# Allegro board ultrasound_tnr_1000a_01_20171121.brd (continued)
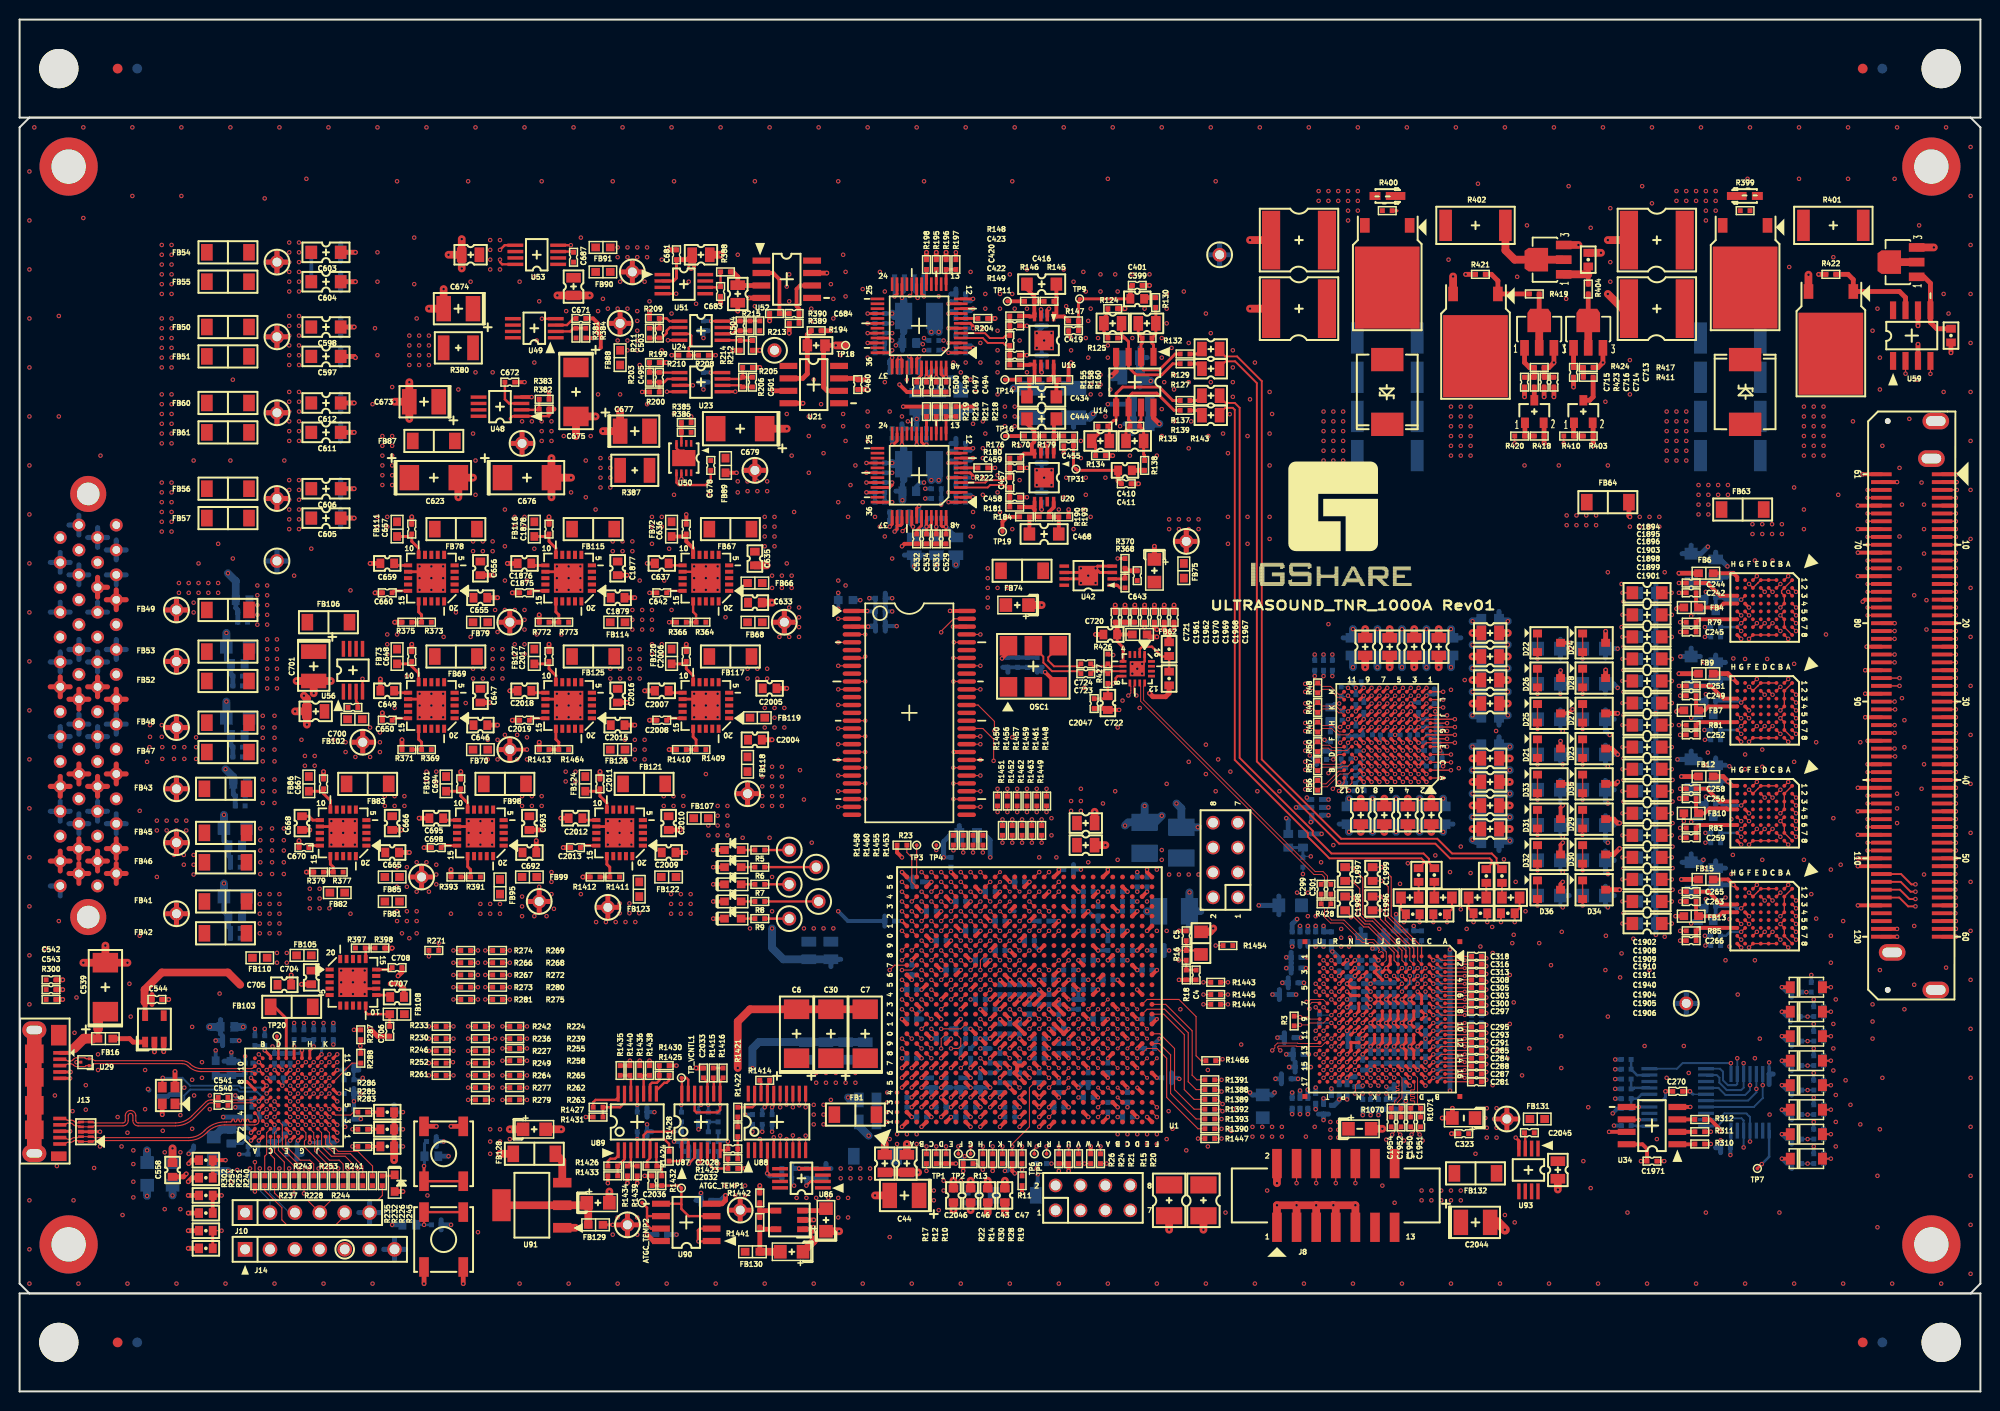
[diagram p0: board, top side]
## Routing (per net, layer and track width the routed paths; a pad name or vN(x,y) marks a point on that pad's centre or on a via; arc(x,y) is an arc through that point) (continued)
/RESET: length 29.3
  TOP w0.115: U26.C5 v1(26,28.8)
  TOP w0.25: v1(41.25,17) SW2.2 SW2.1
  SIG3 w0.13: v1(26,28.8) 26.4,28.4 26.4,25.4 27.3,24.5 33.75,24.5 v1(41.25,17)
  BOTTOM w0.25: C536.2 v1(41.25,17) R425.2
/SD_CAS: length 30.3
  TOP w0.115: U31.17 v1(86.25,66.85) ; U1.K23 v2(100,50)
  SIG2 w0.13: v1(86.25,66.85) 86.49,66.85 88.29,65.05 88.29,54.46 88.75,54 98.25,54 99.5,52.75 99.5,50.5 v2(100,50)
/SD_CS: length 30.6
  TOP w0.115: U1.L22 v2(100,49) ; U31.19 v1(86.25,65.25)
  SIG2 w0.13: v1(86.25,65.25) 86.93,64.57 86.93,54.32 88.75,52.5 97,52.5 97.5,52 97.5,49.75 97.75,49.5 98.25,49.5 98.5,49.25 98.5,48.75 98.75,48.5 99.5,48.5 v2(100,49)
/SD_RAS: length 32.9
  TOP w0.115: U31.18 v1(83.5,66.05) ; U1.K22 v1(99,49)
  SIG2 w0.13: v1(99,49) 99,49.25 98.5,49.75 98.5,53.25 98.25,53.5 88.5,53.5 87.58,54.42 87.58,64.73 86.26,66.05 v1(83.5,66.05)
/SD_WE: length 32.1
  TOP w0.115: U1.J23 v1(98,49) ; U31.16 v1(83.5,67.65)
  SIG2 w0.13: v1(98,49) 97.75,49 97.25,49.5 96.75,49.5 96.5,49.75 96.5,51.25 96.25,51.5 89,51.5 82.75,57.75 82.75,66.9 v1(83.5,67.65)
/TRST: length 24.2
  TOP w0.115: U26.B11 v1(24.4,34.4)
  SIG3 w0.13: J14.2 24.25,15.79 22.71,15.79 21.75,16.75 21.75,19.5 23,20.75 23,24.6 22.8,24.8 22.8,30.6 24,31.8 24,34 v1(24.4,34.4)
A0: length 3
  BOTTOM w0.25: U8.6 165.45,30.32 165,29.88 R87.1 R90.2
A1: length 54.2
  TOP w0.115: R280.1 v1(50,41.25) ; v1(98,43) 98,44 U1.J18
  SIG2 w0.13: v1(50,41.25) 86.25,41.25 88,39.5 97.25,39.5 97.5,39.75 97.5,42.5 v1(98,43)
A1_32 TI CONNECTOR: length 2.9
  BOTTOM w0.25: U8.7 164.72,30.98 164.62,30.88 R91.2 R88.1
A2: length 58.9
  TOP w0.115: v1(100,43) U1.K16 ; R281.1 v1(46.75,40)
  SIG2 w0.13: v1(100,43) U1.K16 98.75,42.5 98.5,42.25 98.5,40.1 96.9,38.5 87.75,38.5 85.75,40.5 47.25,40.5 v1(46.75,40)
A2_32 TI CONNECTOR: length 3.1
  BOTTOM w0.25: R89.1 R92.2 164.97,32.27 U8.9
AD_3V3P: length 38.9
  TOP w0.3: v1(92.5,96.62) 92.25,96.62 92,96.88 U25.18 ; v1(92.25,111.75) 92,112 U22.18 ; U22.37 v1(89,105.5) ; v1(88.75,88.25) 89,88.5 U25.37 ; U22.34 v1(86.5,107) ; v1(89.25,111.75) 89.5,112 U22.23 ; v1(89,96.62) 89.12,96.62 89.5,97 U25.23 ; U25.34 v1(86.38,91.75)
  TOP w0.4: v1(90.12,100.5) R219.1 R216.1 R217.1
  TOP w0.5: R198.1 v1(92.5,116.25) ; R196.1 v1(94.5,116.25) ; R195.1 v1(93.5,116.25)
  TOP w0.515: TH35.1 62.5,115.31 ; TH35.1 61.44,114.25 ; TH35.1 62.5,113.19 ; TH35.1 63.56,114.25
  SIG2 w0.53: TH35.1 63.56,114.25 ; TH35.1 61.44,114.25 ; TH35.1 62.5,115.31 ; TH35.1 62.5,113.19
  BOTTOM w0.4: C474.1 C471.1 88.75,105.25 v1(89,105.5) ; C511.1 C508.1 v1(92.5,96.62) ; C509.1 C512.1 v1(89,96.62) ; v1(92.25,111.75) C476.1 C473.1 ; C510.1 C507.1 v1(86.38,91.75) ; v1(86.5,107) C472.1 C475.1 ; C470.1 C469.1 v1(89.25,111.75) ; v1(88.75,88.25) C505.1 C506.1
  vias: v1(61,116.75) v1(61,115.75) v1(61.25,113.25) v1(62,116.75) v1(62,115.75) v1(63,116.75) v1(63,115.75) v1(63.75,113.25) v1(64,116.75) v1(64,115.75)
ADC_OUT_N0: length 32.4
  TOP w0.095: U11.T16 v1(133,32) ; U1.V7 v2(108,33)
  SIG4 w0.105: v2(108,33) 108,33.27 107.89,33.38 107.72,33.38 107.61,33.27 107.61,32.74 109.72,30.63 112.74,30.63 113.67,29.7 118.46,29.7 118.79,29.37 120.02,29.37 122.03,31.38 128.66,31.38 128.73,31.45 128.73,31.59 128.79,31.66 128.89,31.66 128.96,31.59 128.96,31.45 129.03,31.38 129.12,31.38 129.19,31.45 129.19,31.59 129.26,31.66 129.35,31.66 129.42,31.59 129.42,31.45 129.49,31.38 129.59,31.38 129.66,31.45 129.66,31.59 129.72,31.66 129.82,31.66 129.89,31.59 129.89,31.45 129.96,31.38 130.96,31.38 131.29,31.71 132.5,31.71 132.73,31.48 133.17,31.48 133.28,31.59 133.28,31.73 v1(133,32)
ADC_OUT_N1: length 32.5
  TOP w0.095: U11.T15 v1(133,32.8) ; U1.W8 v2(109,35)
  SIG1 w0.105: v2(109,35) 108.73,35 108.62,34.89 108.62,32.73 108.73,32.62 112.7,32.62 113.61,31.71 113.61,30.86 114.63,29.84 119.4,29.84 122.19,32.63 127.21,32.63 127.28,32.7 127.28,32.8 127.34,32.87 127.44,32.87 127.51,32.8 127.51,32.7 127.58,32.63 127.67,32.63 127.74,32.7 127.74,32.8 127.81,32.87 127.9,32.87 127.97,32.8 127.97,32.7 128.04,32.63 128.14,32.63 128.2,32.7 128.2,32.8 128.27,32.87 128.37,32.87 128.44,32.8 128.44,32.7 128.5,32.63 128.6,32.63 128.67,32.7 128.67,32.8 128.74,32.87 128.83,32.87 128.9,32.8 128.9,32.7 128.97,32.63 132.65,32.63 132.67,32.65 132.94,32.65 133,32.72 v1(133,32.8)
ADC_OUT_N2: length 32.5
  TOP w0.095: U11.T14 v1(133,33.6) ; U1.Y7 v2(110,33)
  SIG4 w0.105: v1(133,33.6) 133,33.55 132.9,33.44 132.64,33.44 131.78,32.58 131.27,32.58 131.2,32.65 131.2,32.82 131.13,32.89 131.03,32.89 130.97,32.82 130.97,32.65 130.9,32.58 130.8,32.58 130.73,32.65 130.73,32.82 130.67,32.89 130.57,32.89 130.5,32.82 130.5,32.65 130.43,32.58 130.34,32.58 130.27,32.65 130.27,32.82 130.2,32.89 130.11,32.89 130.04,32.82 130.04,32.65 129.97,32.58 127.64,32.58 127.45,32.76 127.45,32.95 127.12,33.28 126.65,33.28 126.32,32.95 126.32,32.76 126.14,32.58 125.88,32.58 125.69,32.76 125.69,32.95 125.36,33.28 124.89,33.28 124.56,32.95 124.56,32.39 124.46,32.29 124.04,32.29 123.93,32.39 123.93,32.95 123.6,33.28 123.13,33.28 122.8,32.95 122.8,32.76 122.62,32.58 121.7,32.58 119.88,30.76 115.51,30.76 114.56,31.71 112.47,31.71 111.53,32.65 109.73,32.65 109.61,32.77 109.61,33.34 109.68,33.41 109.85,33.41 110,33.26 v2(110,33)
ADC_OUT_N3: length 32.4
  TOP w0.095: U11.U13 v1(132.2,34.4) ; U1.AC7 v2(113,33)
  SIG4 w0.105: v1(132.2,34.4) 132.47,34.12 132.47,34.04 132.36,33.92 131.05,33.92 130.98,33.99 130.98,34.13 130.91,34.2 130.82,34.2 130.75,34.13 130.75,33.99 130.68,33.92 130.58,33.92 130.52,33.99 130.52,34.13 130.45,34.2 130.35,34.2 130.28,34.13 130.28,33.99 130.22,33.92 127.74,33.92 126.53,35.13 125.96,35.13 125.71,34.88 125.71,34.23 125.56,34.08 125.27,34.08 125.08,34.27 125.08,34.69 124.8,34.96 124.22,34.96 123.95,34.69 123.95,34.3 123.82,34.17 123.42,34.17 123.32,34.27 123.32,34.7 122.96,35.05 122.02,35.05 121.67,34.7 121.67,33.73 121.57,33.63 121.15,33.63 121.04,33.73 121.04,34.69 120.71,35.02 120.1,35.02 119.21,34.13 119.21,33.66 120.11,32.76 120.11,32.5 119.93,32.31 119.67,32.31 118.76,33.22 118.29,33.22 117.7,32.62 112.75,32.62 112.62,32.75 112.62,32.89 112.73,33 v2(113,33)
ADC_OUT_N4: length 32.5
  TOP w0.095: v1(127.77,34.8) 128.03,35.06 128.03,35.28 128.3,35.55 130.35,35.55 130.4,35.5 132.53,35.5 132.6,35.57 U11.U12 ; U1.AF7 v2(116,34)
  SIG1 w0.105: v1(127.77,34.8) 128.06,34.51 128.06,33.98 127.58,33.5 127.2,33.5 127.13,33.57 127.13,33.67 127.07,33.74 126.97,33.74 126.9,33.67 126.9,33.57 126.83,33.5 126.74,33.5 126.67,33.57 126.67,33.67 126.6,33.74 126.51,33.74 126.44,33.67 126.44,33.57 126.37,33.5 126.27,33.5 126.21,33.57 126.21,33.67 126.14,33.74 126.04,33.74 125.97,33.67 125.97,33.57 125.91,33.5 125.81,33.5 125.74,33.57 125.74,33.67 125.67,33.74 125.58,33.74 125.51,33.67 125.51,33.57 125.44,33.5 120.65,33.5 120.4,33.25 120.4,32.32 118.99,30.91 117.78,30.91 117.67,31.02 117.67,33.41 117.34,33.74 116.87,33.74 116.54,33.41 116.54,30.99 116.42,30.87 115.18,30.87 114.35,31.7 114.35,32.21 115.62,33.48 115.62,33.89 115.73,34 v2(116,34)
ADC_OUT_N5: length 32.4
  TOP w0.095: U11.R11 v1(133.8,36) ; U1.AD8 v2(114,34)
  SIG4 w0.105: v1(133.8,36) 133.53,35.73 133.29,35.73 133.08,35.51 131.85,35.51 131.78,35.58 131.78,35.72 131.71,35.79 131.62,35.79 131.55,35.72 131.55,35.58 131.48,35.51 128.02,35.51 127.69,35.84 127.06,35.84 126.95,35.95 126.95,36.82 126.7,37.07 126.07,37.07 125.82,36.82 125.82,35.95 125.72,35.84 125.3,35.84 125.19,35.95 125.19,36.82 124.94,37.07 124.31,37.07 124.06,36.82 124.06,35.95 123.96,35.84 123.54,35.84 123.43,35.95 123.43,36.82 123.18,37.07 122.55,37.07 122.3,36.82 122.3,35.95 122.2,35.84 121.78,35.84 121.67,35.95 121.67,37.11 121.47,37.31 120.79,37.31 120.54,37.06 120.54,35.95 120.44,35.84 119.46,35.84 117.23,33.61 113.76,33.61 113.62,33.75 113.62,33.89 113.73,34 v2(114,34)
ADC_OUT_N6: length 32.4
  TOP w0.095: U11.U11 v1(132.2,36) ; U1.AA7 v2(110,34)
  SIG1 w0.105: v1(132.2,36) 132.06,36.14 131.71,36.14 131.35,35.78 131.35,35.69 131.43,35.61 131.43,35.51 131.36,35.44 131.27,35.44 131.19,35.52 131.09,35.52 130.93,35.36 130.93,35.12 131,35.06 131.22,35.06 131.29,34.99 131.29,34.89 131.22,34.82 131,34.82 130.93,34.76 130.93,33.48 130.68,33.23 130.06,33.23 129.68,33.61 129.68,34.9 129.13,35.45 127.53,35.45 126.45,34.38 119.62,34.38 119.44,34.19 119.44,32.73 119.2,32.49 118.56,32.49 118.31,32.74 118.31,34.19 118.13,34.38 110.11,34.38 110,34.27 v2(110,34)
ADC_OUT_N7: length 32.5
  TOP w0.095: U1.W9 v1(108,36) ; U11.U10 v1(132.2,36.8)
  SIG1 w0.105: v1(108,36) 108.27,36 108.38,35.89 108.38,35.64 108.64,35.38 123.73,35.38 124.06,35.71 124.06,36.44 124.42,36.8 124.85,36.8 124.99,36.66 124.99,35.4 125.24,35.15 125.99,35.15 126.59,35.75 126.59,36.43 126.78,36.61 130.82,36.61 131.4,37.19 131.4,38.15 131.6,38.35 132.37,38.35 132.47,38.24 132.47,37.08 v1(132.2,36.8)
ADC_OUT_N8: length 32.5
  TOP w0.095: U1.AE11 v2(115,37) ; U11.U8 v1(132.2,39.2)
  SIG4 w0.105: v1(132.2,39.2) 132.47,38.92 132.47,38.8 132.31,38.63 131.26,38.63 130.93,38.96 130.55,38.96 130.37,39.14 130.37,39.76 130.04,40.09 129.57,40.09 129.24,39.76 129.24,39.14 129.06,38.96 128.79,38.96 128.61,39.14 128.61,39.76 128.28,40.09 127.81,40.09 127.48,39.76 127.48,39.14 127.3,38.96 126.93,38.96 126.82,39.06 126.82,39.88 126.57,40.13 125.94,40.13 125.69,39.88 125.69,39.06 125.59,38.96 125.17,38.96 125.06,39.06 125.06,40.13 124.81,40.38 124.18,40.38 123.93,40.13 123.93,39.06 123.83,38.96 122.7,38.96 122.52,39.14 122.52,40.2 122.19,40.53 121.72,40.53 121.39,40.2 121.39,39.14 121.21,38.96 119.67,38.96 117.35,36.64 116.26,36.64 116.2,36.71 116.2,36.87 116.13,36.94 116.03,36.94 115.96,36.87 115.96,36.71 115.9,36.64 115.8,36.64 115.73,36.71 115.73,36.87 115.66,36.94 115.57,36.94 115.5,36.87 115.5,36.71 115.43,36.64 114.73,36.64 114.62,36.75 114.62,36.89 114.73,37 v2(115,37)
ADC_OUT_N9: length 32.5
  TOP w0.095: U11.U7 132.5,39.7 131.82,39.7 131.56,39.44 v1(131.56,39.05) ; U1.AE10 v2(115,36)
  SIG1 w0.105: v1(131.56,39.05) 131.28,39.33 131.05,39.33 130.98,39.26 130.98,39.1 130.91,39.03 130.82,39.03 130.75,39.1 130.75,39.26 130.68,39.33 130.58,39.33 130.52,39.26 130.52,39.1 130.45,39.03 130.35,39.03 130.28,39.1 130.28,39.26 130.22,39.33 129.9,39.33 129.72,39.15 129.72,37.64 129.39,37.31 128.92,37.31 128.59,37.64 128.59,39.44 128.48,39.54 128.06,39.54 127.96,39.44 127.96,37.64 127.63,37.31 127.16,37.31 126.83,37.64 126.83,39.87 126.66,40.04 126.36,40.04 125.69,39.37 125.69,38.74 126.17,38.26 126.17,37.79 125.84,37.46 125.37,37.46 124.89,37.94 124.35,37.94 122.8,36.39 114.76,36.39 114.62,36.25 114.62,36.11 114.73,36 v2(115,36)
ADC_OUT_N10: length 32.4
  TOP w0.095: U11.R6 v1(133.8,40.8) ; U1.AC12 v2(113,38)
  SIG4 w0.105: v2(113,38) 112.73,38 112.62,37.89 112.62,37.75 112.75,37.62 116.76,37.62 117.65,38.51 117.65,38.77 116.81,39.62 116.81,39.97 117.25,40.41 117.61,40.41 118.04,39.98 118.75,39.98 119.97,41.2 121.3,41.2 121.49,41.38 121.49,42.67 121.82,43 122.29,43 122.62,42.67 122.62,41.38 122.8,41.2 124.84,41.2 124.95,41.3 124.95,41.9 125.33,42.29 125.82,42.29 126.08,42.04 126.08,41.3 126.18,41.2 130.99,41.2 131.16,41.04 131.25,41.04 131.32,41.1 131.41,41.1 131.48,41.03 131.48,40.93 131.42,40.87 131.42,40.78 131.78,40.41 133.41,40.41 v1(133.8,40.8)
ADC_OUT_N11: length 32.5
  TOP w0.095: U1.Y10 v2(109,37) ; U11.U6 v1(132.2,40.8)
  SIG1 w0.105: v1(132.2,40.8) 132.04,40.96 131.76,40.96 131.7,40.89 131.7,40.84 131.63,40.77 131.53,40.77 131.46,40.84 131.46,40.89 131.4,40.96 131.3,40.96 131.23,40.89 131.23,40.84 131.16,40.77 131.07,40.77 131,40.84 131,40.89 130.93,40.96 125.96,40.96 122.37,37.37 120.18,37.37 119.85,37.7 119.85,39.16 119.74,39.27 119.32,39.27 119.22,39.16 119.22,37.7 118.89,37.37 118.42,37.37 118.09,37.7 118.09,38.27 117.9,38.45 117.64,38.45 117.46,38.27 117.46,37.7 117.13,37.37 110.73,37.37 110.59,37.23 110.59,36.65 110.34,36.4 109.62,36.4 109.38,36.64 109.38,36.89 109.27,37 v2(109,37)
ADC_OUT_N12: length 32.4
  TOP w0.095: U11.U5 v1(132.2,41.6) ; U1.W11 v2(108,37)
  SIG4 w0.105: v2(108,37) 108,37.27 108.11,37.38 109.48,37.38 110.47,38.37 114.34,38.37 117.06,41.09 118.68,41.09 121.21,43.62 123.55,43.62 123.65,43.52 123.65,42.57 123.9,42.32 124.61,42.32 124.86,42.57 124.86,43.52 124.97,43.62 125.58,43.62 126.94,42.26 131.53,42.26 131.6,42.19 131.6,42.05 131.67,41.98 131.76,41.98 131.83,42.05 131.83,42.19 131.9,42.26 132.2,42.26 132.47,41.98 132.47,41.88 v1(132.2,41.6)
ADC_OUT_N13: length 32.5
  TOP w0.095: U1.AD13 v2(114,39) ; U11.T4 v1(133,42.4)
  SIG1 w0.105: v1(133,42.4) 132.86,42.54 132.59,42.54 132.52,42.47 132.52,42.31 132.45,42.24 132.35,42.24 132.29,42.31 132.29,42.47 132.22,42.54 132.12,42.54 132.05,42.47 132.05,42.31 131.99,42.24 131.89,42.24 131.82,42.31 131.82,42.47 131.75,42.54 131.66,42.54 131.59,42.47 131.59,42.31 131.52,42.24 131.43,42.24 131.36,42.31 131.36,42.47 131.29,42.54 128.4,42.54 128.07,42.87 128.07,43.51 127.88,43.69 127.62,43.69 127.44,43.51 127.44,42.39 127.09,42.04 126.6,42.04 126.31,42.33 126.31,43.51 126.12,43.69 125.86,43.69 125.68,43.51 125.68,42.47 125.43,42.22 124.8,42.22 124.55,42.47 124.55,43.51 124.36,43.69 124.1,43.69 123.92,43.51 123.92,42.87 123.59,42.54 123.12,42.54 122.79,42.87 122.79,43.51 122.6,43.69 122.34,43.69 122.16,43.51 122.16,42.87 121.83,42.54 120.34,42.54 117.55,39.75 114.12,39.75 113.62,39.25 113.62,39.11 113.73,39 v2(114,39)
ADC_OUT_N14: length 32.4
  TOP w0.095: U1.AA12 v2(111,39) ; U11.T3 v1(133,43.2)
  SIG4 w0.105: v1(133,43.2) 133,43.26 132.9,43.36 132.59,43.36 132.52,43.29 132.52,43.19 132.46,43.12 132.36,43.12 132.29,43.19 132.29,43.29 132.22,43.36 132,43.36 131.71,43.65 130.57,43.65 130.5,43.58 130.5,43.39 130.43,43.32 130.33,43.32 130.27,43.39 130.27,43.58 130.2,43.65 128.37,43.65 127.92,44.1 127.66,44.1 127.25,43.7 126.78,43.7 126.45,44.03 126.45,44.5 126.86,44.9 126.86,45.72 126.32,46.26 125.42,46.26 125.11,45.95 125.11,45.05 124.78,44.72 124.31,44.72 123.98,45.05 123.98,45.56 123.79,45.74 123.53,45.74 123.35,45.56 123.35,45.05 123.02,44.72 120.86,44.72 118.9,42.76 117.14,42.76 114.47,40.09 112.41,40.09 111.69,39.38 111.11,39.38 111,39.27 v2(111,39)
ADC_OUT_N15: length 32.4
  TOP w0.095: U11.T2 v1(133,44) ; U1.Y12 v1(110,39)
  SIG1 w0.105: v1(110,39) 109.73,39 109.62,39.11 109.62,39.38 111,40.75 112,40.75 113,41.75 117.35,41.75 120.3,44.7 125.93,44.7 126.26,45.03 126.26,46.42 126.37,46.53 126.83,46.53 126.89,46.47 126.89,45.03 127.22,44.7 131.93,44.7 131.99,44.63 131.99,44.49 132.06,44.42 132.16,44.42 132.23,44.49 132.23,44.63 132.29,44.7 132.39,44.7 132.46,44.63 132.46,44.49 132.53,44.42 132.62,44.42 132.69,44.49 132.69,44.63 132.76,44.7 133,44.7 133.28,44.42 133.28,44.27 v1(133,44)
ADC_OUT_P0: length 32.5
  TOP w0.095: U11.R16 v1(133.8,32) ; U1.V8 v2(108,34)
  SIG4 w0.105: v1(133.8,32) 133.53,31.73 133.53,31.48 133.27,31.23 132.63,31.23 132.4,31.46 131.39,31.46 131.06,31.13 122.13,31.13 120.12,29.12 118.69,29.12 118.36,29.45 113.57,29.45 112.64,30.38 109.62,30.38 107.36,32.64 107.36,33.37 107.61,33.62 107.89,33.62 108,33.73 v2(108,34)
ADC_OUT_P1: length 32.5
  TOP w0.095: U1.V9 v2(108,35) ; U11.R15 v1(133.8,32.8)
  SIG1 w0.105: v2(108,35) 108.27,35 108.38,34.89 108.38,32.62 108.63,32.37 112.6,32.37 113.36,31.61 113.36,30.76 114.53,29.59 119.5,29.59 122.29,32.38 132.75,32.38 132.77,32.4 133.4,32.4 v1(133.8,32.8)
ADC_OUT_P2: length 32.4
  TOP w0.095: U11.R14 v1(133.8,33.6) ; U1.Y8 v2(109,34)
  SIG4 w0.105: v1(133.8,33.6) 133.39,33.19 132.74,33.19 131.88,32.33 127.53,32.33 127.2,32.66 127.2,32.85 127.02,33.03 126.76,33.03 126.57,32.85 126.57,32.66 126.24,32.33 125.77,32.33 125.44,32.66 125.44,32.85 125.26,33.03 125,33.03 124.81,32.85 124.81,32.29 124.56,32.04 123.93,32.04 123.68,32.29 123.68,32.85 123.5,33.03 123.24,33.03 123.05,32.85 123.05,32.66 122.72,32.33 121.8,32.33 119.98,30.51 115.41,30.51 114.46,31.46 112.37,31.46 111.43,32.4 109.63,32.4 109.36,32.67 109.36,33.64 v2(109,34)
ADC_OUT_P3: length 32.5
  TOP w0.095: U1.AB7 v2(112,33) ; U11.T13 v1(133,34.4)
  SIG4 w0.105: v1(133,34.4) 132.72,34.12 132.72,33.94 132.46,33.67 127.64,33.67 126.43,34.88 126.06,34.88 125.96,34.77 125.96,34.12 125.66,33.83 125.17,33.83 124.83,34.17 124.83,34.59 124.7,34.71 124.32,34.71 124.2,34.59 124.2,34.19 123.92,33.92 123.32,33.92 123.07,34.17 123.07,34.59 122.86,34.8 122.13,34.8 121.92,34.59 121.92,33.63 121.67,33.38 121.04,33.38 120.79,33.63 120.79,34.59 120.61,34.77 120.2,34.77 119.46,34.03 119.46,33.77 120.36,32.86 120.36,32.39 120.03,32.06 119.56,32.06 118.66,32.97 118.4,32.97 117.8,32.37 112.65,32.37 112.38,32.64 112.38,32.89 112.27,33 v2(112,33)
ADC_OUT_P4: length 32.4
  TOP w0.095: U11.T12 133.17,35.6 132.77,35.2 130.28,35.2 130.23,35.25 128.43,35.25 128.33,35.16 128.33,35.06 v1(128.59,34.8) ; U1.AE7 v2(115,34)
  SIG1 w0.105: v1(128.59,34.8) 128.31,34.51 128.31,33.87 127.68,33.25 120.75,33.25 120.65,33.14 120.65,32.22 119.09,30.66 117.67,30.66 117.42,30.91 117.42,33.31 117.24,33.49 116.98,33.49 116.79,33.31 116.79,30.89 116.52,30.62 115.08,30.62 114.1,31.6 114.1,32.31 115.38,33.59 115.38,33.89 115.27,34 v2(115,34)
ADC_OUT_P5: length 32.4
  TOP w0.095: U11.R12 v1(133.8,35.2) ; U1.AC8 v2(113,34)
  SIG4 w0.105: v2(113,34) 113.27,34 113.38,33.89 113.38,33.64 113.66,33.36 117.33,33.36 119.56,35.59 120.54,35.59 120.79,35.84 120.79,36.95 120.9,37.06 121.37,37.06 121.42,37.01 121.42,35.84 121.67,35.59 122.3,35.59 122.55,35.84 122.55,36.72 122.66,36.82 123.08,36.82 123.18,36.72 123.18,35.84 123.43,35.59 124.06,35.59 124.31,35.84 124.31,36.72 124.42,36.82 124.84,36.82 124.94,36.72 124.94,35.84 125.19,35.59 125.82,35.59 126.07,35.84 126.07,36.72 126.18,36.82 126.6,36.82 126.7,36.72 126.7,35.84 126.95,35.59 127.58,35.59 127.92,35.26 133.18,35.26 133.4,35.48 133.53,35.48 v1(133.8,35.2)
ADC_OUT_P6: length 32.4
  TOP w0.095: U1.AA8 v2(110,35) ; U11.T11 v1(133,36)
  SIG1 w0.105: v1(133,36) 132.61,36.39 131.61,36.39 130.68,35.46 130.68,33.59 130.57,33.48 130.16,33.48 129.93,33.71 129.93,35 129.23,35.7 127.43,35.7 126.35,34.62 119.52,34.62 119.19,34.29 119.19,32.83 119.1,32.74 118.67,32.74 118.56,32.84 118.56,34.29 118.23,34.62 110.11,34.62 110,34.73 v2(110,35)
ADC_OUT_P7: length 32.5
  TOP w0.095: U11.T10 v1(133,36.8) ; U1.W10 v1(109,36)
  SIG1 w0.105: v1(133,36.8) 132.72,37.08 132.72,38.34 132.47,38.6 131.49,38.6 131.15,38.25 131.15,37.29 130.72,36.86 126.67,36.86 126.34,36.53 126.34,35.86 125.88,35.4 125.34,35.4 125.24,35.5 125.24,36.76 124.95,37.05 124.32,37.05 123.81,36.54 123.81,35.81 123.62,35.63 108.74,35.63 108.62,35.75 108.62,35.89 108.73,36 v1(109,36)
ADC_OUT_P8: length 32.4
  TOP w0.095: U1.AD11 v2(114,37) ; U11.T8 v1(133,39.2)
  SIG4 w0.105: v2(114,37) 114.27,37 114.38,36.89 114.38,36.64 114.63,36.39 117.45,36.39 119.77,38.71 121.31,38.71 121.64,39.04 121.64,40.1 121.82,40.28 122.09,40.28 122.27,40.1 122.27,39.04 122.6,38.71 123.93,38.71 124.18,38.96 124.18,40.02 124.29,40.13 124.71,40.13 124.81,40.03 124.81,38.96 125.06,38.71 125.69,38.71 125.94,38.96 125.94,39.77 126.05,39.88 126.47,39.88 126.57,39.77 126.57,38.96 126.82,38.71 127.4,38.71 127.73,39.04 127.73,39.66 127.91,39.84 128.18,39.84 128.36,39.66 128.36,39.04 128.69,38.71 129.16,38.71 129.49,39.04 129.49,39.66 129.67,39.84 129.94,39.84 130.12,39.66 130.12,39.04 130.45,38.71 130.83,38.71 131.16,38.38 132.41,38.38 132.72,38.69 132.72,38.92 v1(133,39.2)
ADC_OUT_P9: length 32.5
  TOP w0.095: U1.AD10 v2(114,36) ; U11.T7 133.38,39.6 132.98,40 131.69,40 131.44,39.75 v1(131.26,39.75)
  SIG1 w0.105: v1(131.26,39.75) 131.09,39.58 129.8,39.58 129.47,39.25 129.47,37.74 129.28,37.56 129.02,37.56 128.84,37.74 128.84,39.54 128.59,39.79 127.96,39.79 127.71,39.54 127.71,37.74 127.52,37.56 127.26,37.56 127.08,37.74 127.08,39.97 126.76,40.29 126.26,40.29 125.44,39.47 125.44,38.64 125.92,38.16 125.92,37.9 125.74,37.71 125.48,37.71 125,38.19 124.25,38.19 122.7,36.64 114.66,36.64 114.38,36.36 114.38,36.11 114.27,36 v2(114,36)
ADC_OUT_P10: length 32.4
  TOP w0.095: U1.AB12 v2(112,38) ; U11.R7 v1(133.8,40)
  SIG4 w0.105: v2(112,38) 112.27,38 112.38,37.89 112.38,37.64 112.65,37.37 116.86,37.37 117.9,38.41 117.9,38.88 117.06,39.72 117.06,39.87 117.36,40.16 117.51,40.16 117.94,39.73 118.85,39.73 120.07,40.95 121.41,40.95 121.74,41.28 121.74,42.57 121.92,42.75 122.18,42.75 122.37,42.57 122.37,41.28 122.7,40.95 124.94,40.95 125.2,41.2 125.2,41.8 125.44,42.04 125.72,42.04 125.83,41.94 125.83,41.2 126.08,40.95 130.89,40.95 131.68,40.16 133.64,40.16 v1(133.8,40)
ADC_OUT_P11: length 32.5
  TOP w0.095: U11.T6 v1(133,40.8) ; U1.Y11 v2(110,37)
  SIG1 w0.105: v1(133,40.8) 132.59,41.21 125.86,41.21 122.27,37.62 120.28,37.62 120.1,37.8 120.1,39.27 119.85,39.52 119.22,39.52 118.97,39.27 118.97,37.8 118.78,37.62 118.52,37.62 118.34,37.8 118.34,38.37 118.01,38.7 117.54,38.7 117.21,38.37 117.21,37.8 117.02,37.62 110.63,37.62 110.34,37.33 110.34,36.75 110.23,36.65 109.72,36.65 109.62,36.75 109.62,36.89 109.73,37 v2(110,37)
ADC_OUT_P12: length 32.4
  TOP w0.095: U11.T5 v1(133,41.6) ; U1.V11 v1(108,38)
  SIG4 w0.105: v1(133,41.6) 132.72,41.88 132.72,42.09 132.3,42.51 127.04,42.51 125.68,43.87 124.86,43.87 124.61,43.62 124.61,42.67 124.51,42.57 124,42.57 123.9,42.67 123.9,43.62 123.65,43.87 121.11,43.87 118.58,41.34 116.96,41.34 114.24,38.62 110.37,38.62 109.38,37.62 108.11,37.62 108,37.73 v1(108,38)
ADC_OUT_P13: length 32.5
  TOP w0.095: U11.R4 v1(133.8,42.4) ; U1.AC13 v2(113,39)
  SIG1 w0.105: v1(133.8,42.4) 133.45,42.75 133.45,42.75 133.41,42.79 128.5,42.79 128.32,42.97 128.32,43.61 127.99,43.94 127.52,43.94 127.19,43.61 127.19,42.49 126.99,42.29 126.7,42.29 126.56,42.44 126.56,43.61 126.23,43.94 125.76,43.94 125.43,43.61 125.43,42.58 125.32,42.47 124.9,42.47 124.8,42.58 124.8,43.61 124.47,43.94 124,43.94 123.67,43.61 123.67,42.97 123.48,42.79 123.22,42.79 123.04,42.97 123.04,43.61 122.71,43.94 122.24,43.94 121.91,43.61 121.91,42.97 121.72,42.79 120.24,42.79 117.45,40 114.02,40 113.38,39.36 113.38,39.11 113.27,39 v2(113,39)
ADC_OUT_P14: length 32.5
  TOP w0.095: U11.R3 v1(133.8,43.2) ; U1.AA13 v2(111,40)
  SIG4 w0.105: v2(111,40) 111,39.73 111.11,39.62 111.59,39.62 112.3,40.34 114.37,40.34 117.04,43.01 118.8,43.01 120.76,44.97 122.91,44.97 123.1,45.15 123.1,45.66 123.43,45.99 123.9,45.99 124.23,45.66 124.23,45.15 124.41,44.97 124.67,44.97 124.86,45.15 124.86,46.05 125.32,46.51 126.42,46.51 127.11,45.83 127.11,44.8 126.7,44.39 126.7,44.13 126.89,43.95 127.15,43.95 127.55,44.35 128.02,44.35 128.47,43.9 131.81,43.9 132.1,43.61 133.39,43.61 v1(133.8,43.2)
ADC_OUT_P15: length 32.5
  TOP w0.095: U1.Y13 v1(109,39) ; U11.R2 v1(133.8,44)
  SIG1 w0.105: v1(133.8,44) 133.53,44.27 133.53,44.53 133.1,44.95 127.33,44.95 127.14,45.13 127.14,46.57 126.94,46.78 126.26,46.78 126.01,46.53 126.01,45.13 125.83,44.95 120.2,44.95 117.25,42 112.9,42 111.9,41 110.9,41 109.38,39.48 109.38,39.11 109.27,39 v1(109,39)
ADC_SCLK: length 19.3
  TOP w0.115: R1388.2 122.4,30.8 v1(122.6,30.6) ; U11.J17 v1(138.6,32)
  SIG1 w0.13: v1(122.6,30.6) 123.8,29.4 133.2,29.4 134.6,30.8 138,30.8 138.2,31 138.2,31.6 v1(138.6,32)
ADC_SDATA: length 17.8
  TOP w0.115: v1(122.7,29.33) 122.23,29.8 R1389.2 ; v1(137.8,32) U11.L16
  SIG3 w0.13: v1(122.7,29.33) 122.7,29.38 124.72,31.4 131.5,31.4 131.7,31.6 137.4,31.6 v1(137.8,32)
ADC_SDOUT: length 66.9
  TOP w0.115: U1.V12 v2(107,38) ; v1(140.21,32) 140.21,32.02 139.83,32.4 U11.H16
  SIG3 w0.13: v1(140.21,32) 143.65,28.55 143.65,25.11 141.79,23.25 118,23.25 116.5,24.75 116.5,30 115,31.5 109.5,31.5 108.5,30.5 104.75,30.5 104.5,30.75 104.5,38.25 104.75,38.5 106.5,38.5 v2(107,38)
ADC_SEN: length 20.6
  TOP w0.115: U11.K17 v1(138.6,31.2) ; R1390.2 v1(122.6,26.8)
  SIG3 w0.13: v1(122.6,26.8) 123.6,27.8 131.9,27.8 133.35,29.25 138.65,29.25 139,29.6 139,30.8 v1(138.6,31.2)
AFE_CLKN: length 29
  TOP w0.095: C301.1 133.4,52.1 133.4,52.6 132.95,53.05 132.15,53.05 114.65,70.55 114.65,71.95 114.75,72.05 U60.12
AFE_CLKP: length 29
  TOP w0.095: C299.1 133.1,52.1 133.1,52.48 132.83,52.75 132.03,52.75 114.35,70.43 114.35,71.95 114.25,72.05 U60.11
ATGC_CTRL0: length 5.7
  TOP w0.25: v1(67.5,29.25) 67.55,29.3 U87.14 67.55,31.95 TP_VCNTL1.1 68,32 68.2,31.8 U87.13
  BOTTOM w0.25: R1429.1 v1(67.5,29.25)
ATGC_CTRL1: length 5
  TOP w0.25: U87.2 68.2,25.55 68,25.75 67.75,25.75 67.55,25.55 U87.1 67.55,23.75 67.3,23.5 R1428.1
ATGC_D0: length 21
  TOP w0.115: U1.A12 v1(90,39) ; U88.14 v1(78.22,29.27)
  SIG1 w0.13: v1(78.22,29.27) 78.22,34.98 82.25,39 v1(90,39)
ATGC_D1: length 23.8
  TOP w0.115: U1.C12 v1(93,38) ; U88.13 v1(78.88,29)
  SIG1 w0.13: v1(93,38) U1.C12 82.5,38.5 78.88,34.88 v1(78.88,29)
ATGC_D2: length 21.3
  TOP w0.115: U1.C11 v1(92,37) ; U88.12 v1(79.53,29.2)
  SIG1 w0.13: v1(92,37) 91.5,37.5 82.25,37.5 79.53,34.77 v1(79.53,29.2)
ATGC_D3: length 22.8
  TOP w0.115: U88.11 v1(80.17,29) ; U1.B9 v1(92,35)
  SIG1 w0.13: v1(80.17,29) 80.17,34.67 82.5,37 91,37 91.5,36.5 92.25,36.5 92.5,36.25 92.5,35.5 v1(92,35)
ATGC_D4: length 20.2
  TOP w0.115: U88.10 v1(80.17,26.1) ; U1.A10 v1(91,36)
  SIG1 w0.13: v1(91,36) U1.A10 88.75,36.5 86,33.75 86,29.25 82.85,26.1 v1(80.17,26.1)
ATGC_D5: length 19.7
  TOP w0.115: U88.9 v1(79.53,25.73) ; U1.A9 v1(90,36)
  SIG1 w0.13: v1(90,36) 89,36 86.5,33.5 86.5,29 82.75,25.25 79.75,25.25 79.53,25.48 v1(79.53,25.73)
ATGC_D6: length 23.8
  TOP w0.115: U88.8 v1(78.88,26.12) ; U1.B10 v1(92,36)